# Altium PCB PCB.PcbDoc (continued)
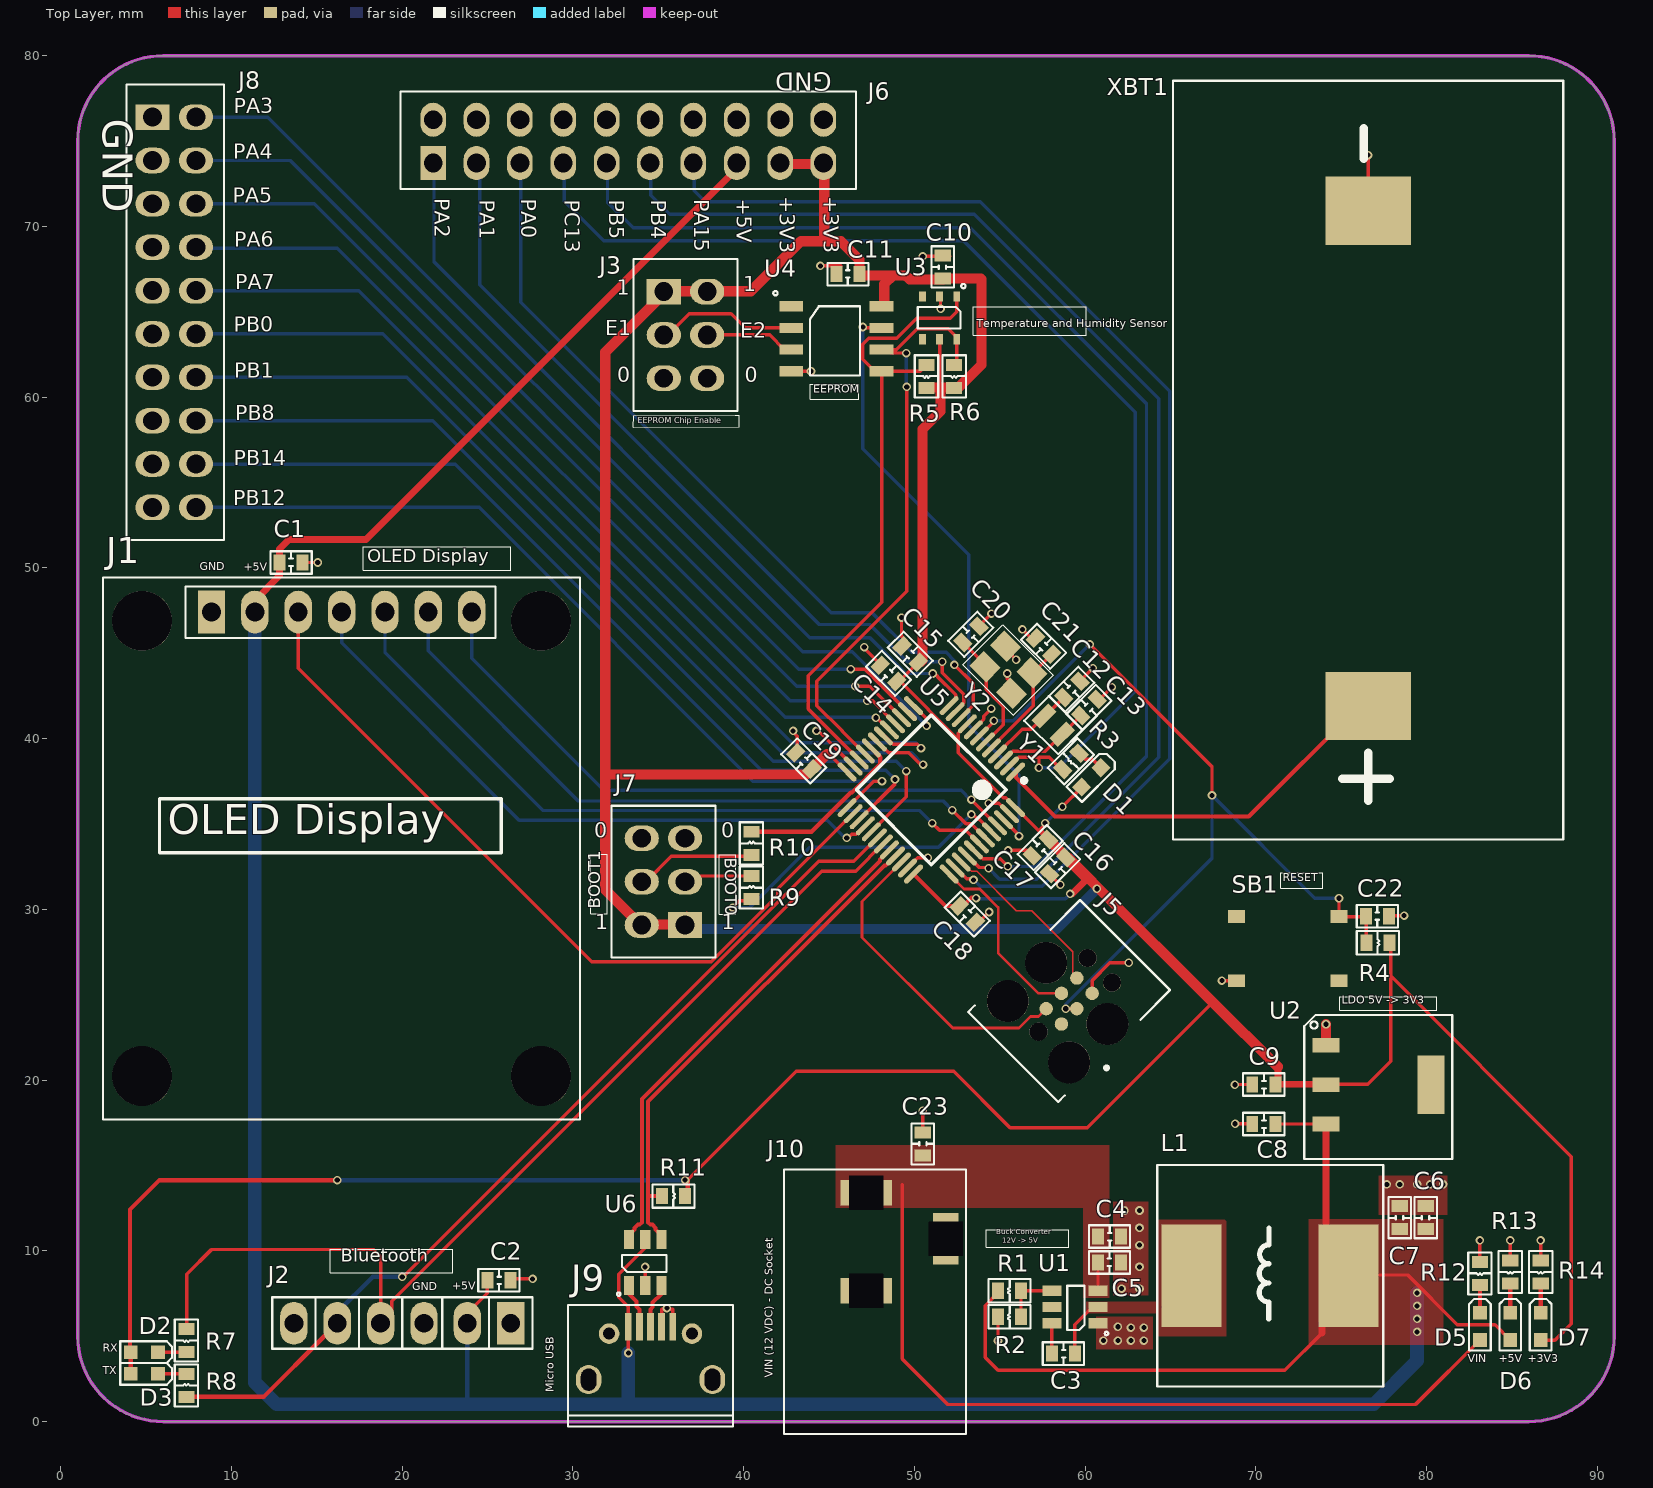
[diagram p0: Top Layer view]
## Footprints (in the part's own frame and the unit in brackets; to place one, negate y for a bottom-side part, rotate by r counter-clockwise, add the part's x,y. Pads: shape width x height; smd on the part's side, far side on the other; paste and mask are expansions set on the pad) (continued)
  Top Layer pour cut-out: 0.508,-1.392
  silkscreen extent -0.6,-2.2 1.8,0.7, body extent -0.12,-2.4 2.7,0.5, height 1.25
SOT-223-3L [mm] "Linear Voltage Regulator IC Positive Fixed 1 Output 1A SOT-223-3L"
  rect 0.85x1.6 smd: 1(0,0) 2(2.3,0) 3(4.6,0)
  rect 3.4x1.6 smd: 4(2.3,6.15)
  silkscreen extent -1.78,-1.27 6.65,7.4, body extent -0.96,-0.46 5.54,6.56, height 1.7
STM32F103C8T6 [mm] "TSQFP, 48-Leads, Body 7.00x7.00mm, Pitch 0.50mm, IPC Medium Density"
  oval 1.45x0.3 smd: 1(-4.225,2.75) 2(-4.225,2.25) 3(-4.225,1.75) 4(-4.225,1.25) 5(-4.225,0.75) 6(-4.225,0.25) 7(-4.225,-0.25) 8(-4.225,-0.75) 9(-4.225,-1.25) 10(-4.225,-1.75) 11(-4.225,-2.25) 12(-4.225,-2.75) 25(4.225,-2.75) 26(4.225,-2.25) 27(4.225,-1.75) 28(4.225,-1.25) 29(4.225,-0.75) 30(4.225,-0.25) 31(4.225,0.25) 32(4.225,0.75) 33(4.225,1.25) 34(4.225,1.75) 35(4.225,2.25) 36(4.225,2.75)
  oval 0.3x1.45 smd: 13(-2.75,-4.225) 14(-2.25,-4.225) 15(-1.75,-4.225) 16(-1.25,-4.225) 17(-0.75,-4.225) 18(-0.25,-4.225) 19(0.25,-4.225) 20(0.75,-4.225) 21(1.25,-4.225) 22(1.75,-4.225) 23(2.25,-4.225) 24(2.75,-4.225) 37(2.75,4.225) 38(2.25,4.225) 39(1.75,4.225) 40(1.25,4.225) 41(0.75,4.225) 42(0.25,4.225) 43(-0.25,4.225) 44(-0.75,4.225) 45(-1.25,4.225) 46(-1.75,4.225) 47(-2.25,4.225) 48(-2.75,4.225)
  silkscreen extent -4.35,-3.1 3.1,3.57, body extent -4.51,-4.51 4.51,4.51, height 1.5
Switch [mm]
  rect 1x0.75 smd: 1(0,0) 2(6,0) 3(0,-3.75) 4(6,-3.75)
  body extent -0.2,-4.4 6.3,0.7, height 1.4

## Part data
C1 C2 C22 C23: library part "CAP  0603 100 nF 10% 50 V", "0.1 µF ±10% 50V Ceramic Capacitor X7R 0603 (1608 Metric)", Case/Package=0603, Case Code (Metric)=1608, Dielectric=X7R, Manufacturer 1=Samsung, Manufacturer Part Number 1=CL10B104KB8NNNC, Max Operating Temperature=125°C, Min Operating Temperature=-55°C, Package Quantity=1, Supplier Part Number 1=1276-1000-2-ND, Tolerance=10%, Voltage=50V, Capacitance=100nF, Case Code (Imperial)=0603, ComponentLink1Description=https://datasheet.ciiva.com/25803/cl10b104kb8nnnc-25803393.pdf?src-supplier=Digikey, ComponentLink1URL=https://datasheet.ciiva.com/25803/cl10b104kb8nnnc-25803393.pdf?src-supplier=Digikey, ComponentLink2Description=https://datasheet.ciiva.com/26838/getdatasheetpartid-89097-26838411.pdf?src-supplier=Verical, ComponentLink2URL=https://datasheet.ciiva.com/26838/getdatasheetpartid-89097-26838411.pdf?src-supplier=Verical, ComponentLink3Description=https://datasheet.ciiva.com/29198/456651-da-01-en-vs-kondensator-0605-29198839.pdf?src-supplier=Conrad, ComponentLink3URL=https://datasheet.ciiva.com/29198/456651-da-01-en-vs-kondensator-0605-29198839.pdf?src-supplier=Conrad, Construction=Flat, Depth=0.8mm, Height=0.8mm, Lead Free="Lead Free", Length=1.6mm, Manufacturer 2=Samsung, Manufacturer Part Number 2=CL10B104KB8NNNC, Material=Ceramic, Mount="Surface Mount", Packaging="Tape and Reel", Pricing 1="4000 = 0.00562, 8000 = 0.00513, 12000 = 0.00489, 28000 = 0.00464, 100000 = 0.00336, 200000 = 0.00325, 400000 = 0.00306 (USD)", Radiation Hardening=No, RoHS=Yes, RoHS Compliant=Yes, Series=CL, Stock 1=6418947, Supplier 1=Digikey, Supplier 2=LCSC, Supplier Part Number 2=C1591, Thickness=0.035inch, Voltage Rating=50V, Voltage Rating (DC)=50V, Width=0.031inch
C3 C5 C10 C11 C17 C18 C19: library part "CAP  0603 100nF 10% 50 V", "0.1 µF ±10% 50V Ceramic Capacitor X7R 0603 (1608 Metric)", Case/Package=0603, Case Code (Metric)=1608, Dielectric=X7R, Manufacturer 1=Samsung, Manufacturer Part Number 1=CL10B104KB8NNNC, Max Operating Temperature=125°C, Min Operating Temperature=-55°C, Package Quantity=1, Supplier Part Number 1=1276-1000-2-ND, Tolerance=10%, Voltage=50V, Capacitance=100nF, Case Code (Imperial)=0603, ComponentLink1Description=https://datasheet.ciiva.com/25803/cl10b104kb8nnnc-25803393.pdf?src-supplier=Digikey, ComponentLink1URL=https://datasheet.ciiva.com/25803/cl10b104kb8nnnc-25803393.pdf?src-supplier=Digikey, ComponentLink2Description=https://datasheet.ciiva.com/26838/getdatasheetpartid-89097-26838411.pdf?src-supplier=Verical, ComponentLink2URL=https://datasheet.ciiva.com/26838/getdatasheetpartid-89097-26838411.pdf?src-supplier=Verical, ComponentLink3Description=https://datasheet.ciiva.com/29198/456651-da-01-en-vs-kondensator-0605-29198839.pdf?src-supplier=Conrad, ComponentLink3URL=https://datasheet.ciiva.com/29198/456651-da-01-en-vs-kondensator-0605-29198839.pdf?src-supplier=Conrad, Construction=Flat, Depth=0.8mm, Height=0.8mm, Lead Free="Lead Free", Length=1.6mm, Manufacturer 2=Samsung, Manufacturer Part Number 2=CL10B104KB8NNNC, Material=Ceramic, Mount="Surface Mount", Packaging="Tape and Reel", Pricing 1="4000 = 0.00562, 8000 = 0.00513, 12000 = 0.00489, 28000 = 0.00464, 100000 = 0.00336, 200000 = 0.00325, 400000 = 0.00306 (USD)", Radiation Hardening=No, RoHS=Yes, RoHS Compliant=Yes, Series=CL, Stock 1=6418947, Supplier 1=Digikey, Supplier 2=LCSC, Supplier Part Number 2=C1591, Thickness=0.035inch, Voltage Rating=50V, Voltage Rating (DC)=50V, Width=0.031inch
C4: library part "CAP 0603 10 µF ±20% 35V _1", "10 µF ±20% 35V Ceramic Capacitor X5R 0603 (1608 Metric)", Case/Package=0603, Case Code (Metric)=1608, Dielectric=X5R, Manufacturer=Murata, Manufacturer Part Number=GRM188R6YA106MA73D, Max Operating Temperature=85°C, Min Operating Temperature=-55°C, Supplier Part Number 1=490-13248-1-ND, Tolerance=20%, Voltage Rating=35V, Capacitance=10uF, Case Code (Imperial)=0603, ComponentLink1Description=http://search.murata.co.jp/Ceramy/image/img/A01X/G101/ENG/GRM188R6YA106MA73-01.pdf?src-supplier=Digikey, ComponentLink1URL=http://search.murata.co.jp/Ceramy/image/img/A01X/G101/ENG/GRM188R6YA106MA73-01.pdf?src-supplier=Digikey, ComponentLink2Description=https://www.murata.com/~/media/webrenewal/support/library/catalog/products/capacitor/mlcc/c02e.ashx?la=en-us&src-supplier=Digikey, ComponentLink2URL=https://www.murata.com/~/media/webrenewal/support/library/catalog/products/capacitor/mlcc/c02e.ashx?la=en-us&src-supplier=Digikey, ComponentLink3Description=https://datasheet.octopart.com/GRM188R6YA106MA73D-Murata-datasheet-86813743.pdf?src-supplier=Future+Electronics, ComponentLink3URL=https://datasheet.octopart.com/GRM188R6YA106MA73D-Murata-datasheet-86813743.pdf?src-supplier=Future+Electronics, ComponentLink4Description=https://datasheet.octopart.com/GRM188R6YA106MA73D-Murata-datasheet-149523261.pdf?src-supplier=Newark, ComponentLink4URL=https://datasheet.octopart.com/GRM188R6YA106MA73D-Murata-datasheet-149523261.pdf?src-supplier=Newark, ComponentLink5Description=http://search.murata.co.jp/Ceramy/image/img/A01X/G101/ENG/GRM188R6YA106MA73-01.pdf?src-supplier=Mouser, ComponentLink5URL=http://search.murata.co.jp/Ceramy/image/img/A01X/G101/ENG/GRM188R6YA106MA73-01.pdf?src-supplier=Mouser, ComponentLink6Description=http://search.murata.co.jp/Ceramy/image/img/A01X/G101/ENG/GRM188R6YA106MA73-01.pdf?src-supplier=Future+Electronics, ComponentLink6URL=http://search.murata.co.jp/Ceramy/image/img/A01X/G101/ENG/GRM188R6YA106MA73-01.pdf?src-supplier=Future+Electronics, ComponentLink7Description=http://search.murata.co.jp/Ceramy/image/img/A01X/G101/ENG/GRM188R6YA106MA73-01.pdf?src-supplier=TTI, ComponentLink7URL=http://search.murata.co.jp/Ceramy/image/img/A01X/G101/ENG/GRM188R6YA106MA73-01.pdf?src-supplier=TTI, ComponentLink8Description=https://datasheet.octopart.com/GRM188R6YA106MA73D-Murata-datasheet-165579666.pdf?src-supplier=TME, ComponentLink8URL=https://datasheet.octopart.com/GRM188R6YA106MA73D-Murata-datasheet-165579666.pdf?src-supplier=TME, Height=1mm, Length=0.063inch, Material=Ceramic, Mount="Surface Mount", Packaging="Cut Tape", Pricing 1="1 = 0.3, 10 = 0.172, 50 = 0.123, 100 = 0.1077, 500 = 0.0818, 1000 = 0.07373 (USD)", RoHS=Yes, RoHS Compliant=Yes, Series=GRM, Stock 1=432618, Supplier 1=Digikey, Supplier 2=LCSC, Supplier Part Number 2=C194427, Thickness=0.039inch, Voltage Rating (DC)=35V, Width=0.031inch
C6 C7 C9: library part "CAP  0603 22 µF ±20% 10V", "10V 22uF X5R ±20% 0603 Multilayer Ceramic Capacitors MLCC - SMD/SMT ROHS", Manufacturer 2="Samsung Electro-Mechanics", Manufacturer Part Number 2=CL10A226MP8NUNE, Supplier 2=LCSC, Supplier Part Number 2=C86295
C8: library part "CAP 0603 10 µF ±20% 35V", "10 µF ±20% 35V Ceramic Capacitor X5R 0603 (1608 Metric)", Case/Package=0603, Case Code (Metric)=1608, Dielectric=X5R, Manufacturer=Murata, Manufacturer Part Number=GRM188R6YA106MA73D, Max Operating Temperature=85°C, Min Operating Temperature=-55°C, Supplier Part Number 1=490-13248-1-ND, Tolerance=20%, Voltage Rating=35V, Capacitance=10uF, Case Code (Imperial)=0603, ComponentLink1Description=http://search.murata.co.jp/Ceramy/image/img/A01X/G101/ENG/GRM188R6YA106MA73-01.pdf?src-supplier=Digikey, ComponentLink1URL=http://search.murata.co.jp/Ceramy/image/img/A01X/G101/ENG/GRM188R6YA106MA73-01.pdf?src-supplier=Digikey, ComponentLink2Description=https://www.murata.com/~/media/webrenewal/support/library/catalog/products/capacitor/mlcc/c02e.ashx?la=en-us&src-supplier=Digikey, ComponentLink2URL=https://www.murata.com/~/media/webrenewal/support/library/catalog/products/capacitor/mlcc/c02e.ashx?la=en-us&src-supplier=Digikey, ComponentLink3Description=https://datasheet.octopart.com/GRM188R6YA106MA73D-Murata-datasheet-86813743.pdf?src-supplier=Future+Electronics, ComponentLink3URL=https://datasheet.octopart.com/GRM188R6YA106MA73D-Murata-datasheet-86813743.pdf?src-supplier=Future+Electronics, ComponentLink4Description=https://datasheet.octopart.com/GRM188R6YA106MA73D-Murata-datasheet-149523261.pdf?src-supplier=Newark, ComponentLink4URL=https://datasheet.octopart.com/GRM188R6YA106MA73D-Murata-datasheet-149523261.pdf?src-supplier=Newark, ComponentLink5Description=http://search.murata.co.jp/Ceramy/image/img/A01X/G101/ENG/GRM188R6YA106MA73-01.pdf?src-supplier=Mouser, ComponentLink5URL=http://search.murata.co.jp/Ceramy/image/img/A01X/G101/ENG/GRM188R6YA106MA73-01.pdf?src-supplier=Mouser, ComponentLink6Description=http://search.murata.co.jp/Ceramy/image/img/A01X/G101/ENG/GRM188R6YA106MA73-01.pdf?src-supplier=Future+Electronics, ComponentLink6URL=http://search.murata.co.jp/Ceramy/image/img/A01X/G101/ENG/GRM188R6YA106MA73-01.pdf?src-supplier=Future+Electronics, ComponentLink7Description=http://search.murata.co.jp/Ceramy/image/img/A01X/G101/ENG/GRM188R6YA106MA73-01.pdf?src-supplier=TTI, ComponentLink7URL=http://search.murata.co.jp/Ceramy/image/img/A01X/G101/ENG/GRM188R6YA106MA73-01.pdf?src-supplier=TTI, ComponentLink8Description=https://datasheet.octopart.com/GRM188R6YA106MA73D-Murata-datasheet-165579666.pdf?src-supplier=TME, ComponentLink8URL=https://datasheet.octopart.com/GRM188R6YA106MA73D-Murata-datasheet-165579666.pdf?src-supplier=TME, Height=1mm, Length=0.063inch, Material=Ceramic, Mount="Surface Mount", Packaging="Cut Tape", Pricing 1="1 = 0.3, 10 = 0.172, 50 = 0.123, 100 = 0.1077, 500 = 0.0818, 1000 = 0.07373 (USD)", RoHS=Yes, RoHS Compliant=Yes, Series=GRM, Stock 1=432618, Supplier 1=Digikey, Supplier 2=LCSC, Supplier Part Number 2=C194427, Thickness=0.039inch, Voltage Rating (DC)=35V, Width=0.031inch
C12 C13 C20 C21: library part "CAP  0603 10 pF ±5% 50V", "10 pF ±5% 50V Ceramic Capacitor C0G, NP0 0603 (1608 Metric)", Case/Package=0603, Case Code (Metric)=1608, Dielectric=C0G, Insulation Resistance=100GR, Manufacturer 2=Yageo, Manufacturer Part Number 2=CC0603JRNPO9BN100, Max Operating Temperature=125°C, Min Operating Temperature=-55°C, Package Quantity=4000, Supplier Part Number 1=311-1058-1-ND, Temperature Coefficient=30ppm/°C, Tolerance=5%, Voltage=50V, Capacitance=10pF, Case Code (Imperial)=0603, ComponentLink1Description=https://datasheet.ciiva.com/144/mlccorderingcode-144651.pdf?src-supplier=Digikey, ComponentLink1URL=https://datasheet.ciiva.com/144/mlccorderingcode-144651.pdf?src-supplier=Digikey, ComponentLink2Description=https://datasheet.ciiva.com/11786/0900766b8079c870-11786407.pdf?src-supplier=Rs, ComponentLink2URL=https://datasheet.ciiva.com/11786/0900766b8079c870-11786407.pdf?src-supplier=Rs, ComponentLink3Description=https://datasheet.ciiva.com/5789/1734582-5789616.pdf?src-supplier=Farnell, ComponentLink3URL=https://datasheet.ciiva.com/5789/1734582-5789616.pdf?src-supplier=Farnell, ComponentLink4Description=https://datasheet.ciiva.com/26862/getdatasheetpartid-403524-26862758.pdf?src-supplier=Verical, ComponentLink4URL=https://datasheet.ciiva.com/26862/getdatasheetpartid-403524-26862758.pdf?src-supplier=Verical, ComponentLink5Description=https://datasheet.ciiva.com/7978/1132289-7978126.pdf?src-supplier=Element14, ComponentLink5URL=https://datasheet.ciiva.com/7978/1132289-7978126.pdf?src-supplier=Element14, ComponentLink6Description=https://datasheet.ciiva.com/46430/1835847-46430150.pdf?src-supplier=Element14, ComponentLink6URL=https://datasheet.ciiva.com/46430/1835847-46430150.pdf?src-supplier=Element14, ComponentLink7Description=https://datasheet.ciiva.com/144/mlccorderingcode-144650.pdf?src-supplier=Digikey, ComponentLink7URL=https://datasheet.ciiva.com/144/mlccorderingcode-144650.pdf?src-supplier=Digikey, ComponentLink8Description=https://datasheet.ciiva.com/144/mlccorderingcode-144649.pdf?src-supplier=Digikey, ComponentLink8URL=https://datasheet.ciiva.com/144/mlccorderingcode-144649.pdf?src-supplier=Digikey, ComponentLink9Description=https://datasheet.ciiva.com/5425/upy-gp-np0-16v-to-50v-8-5425564.pdf?src-supplier=Mouser, ComponentLink9URL=https://datasheet.ciiva.com/5425/upy-gp-np0-16v-to-50v-8-5425564.pdf?src-supplier=Mouser, ComponentLink10Description=https://datasheet.ciiva.com/8033/1734582-8033710.pdf?src-supplier=Element14, ComponentLink10URL=https://datasheet.ciiva.com/8033/1734582-8033710.pdf?src-supplier=Element14, ComponentLink11Description=https://datasheet.ciiva.com/8033/1734582-8033706.pdf?src-supplier=Element14, ComponentLink11URL=https://datasheet.ciiva.com/8033/1734582-8033706.pdf?src-supplier=Element14, Depth=0.8mm, Halogen Free=5694HalogenFree, Height=0.8mm, Lead Free="Lead Free", Length=1.6mm, Mount="Surface Mount", Number of Pins=2, Packaging="Tape and Reel", Pricing 1="1 = 0.1, 10 = 0.03, 50 = 0.0204, 100 = 0.0173, 500 = 0.0123, 1000 = 0.01073 (USD)", Radiation Hardening=No, Reach SVHC Compliant=No, RoHS=Yes, RoHS Compliant=Yes, Series=CC, Stock 1=267181, Supplier 1=Digikey, Supplier 2=LCSC, Supplier Part Number 2=C106245, Termination=SMD/SMT, Voltage Rating=50V, Voltage Rating (DC)=50V, Width=0.8mm
C14: library part "CAP  0603 10 nF ±10% 25V", "10000 pF ±10% 25V Ceramic Capacitor X7R 0603 (1608 Metric)", Manufacturer 2=Murata, Manufacturer Part Number 2=GCJ188R71E103KA01J, Supplier Part Number 1=490-GCJ188R71E103KA01JCT-ND, Pricing 1="1 = 0.12, 10 = 0.068, 50 = 0.047, 100 = 0.0406, 500 = 0.02964, 1000 = 0.02625, 2500 = 0.02265, 5000 = 0.02047 (USD)", RoHS=Yes, Stock 1=28712, Supplier 1=Digikey, Supplier 2=LCSC, Supplier Part Number 2=C17255079
C15: library part "CAP  0603 1 µF ±10% 25V", "1 µF ±10% 25V Ceramic Capacitor X5R 0603 (1608 Metric)", Capacitance=1uF, Case/Package=0603, Case Code (Metric)=1608, Dielectric=X5R, Manufacturer=Yageo, Manufacturer Part Number 1=CC0603KRX5R8BB105, Manufacturer Part Number 2=C14664, Max Operating Temperature=85°C, Min Operating Temperature=-55°C, Supplier Part Number 1=311-1445-1-ND, Tolerance=10%, Voltage Rating=25V, Case Code (Imperial)=0603, ComponentLink1Description=https://datasheet.ciiva.com/7978/1525783-7978171.pdf?src-supplier=Element14, ComponentLink1URL=https://datasheet.ciiva.com/7978/1525783-7978171.pdf?src-supplier=Element14, ComponentLink2Description=https://datasheet.ciiva.com/176/mlccorderingcode-176786.pdf?src-supplier=Digikey, ComponentLink2URL=https://datasheet.ciiva.com/176/mlccorderingcode-176786.pdf?src-supplier=Digikey, ComponentLink3Description=https://datasheet.ciiva.com/176/mlccorderingcode-176785.pdf?src-supplier=Digikey, ComponentLink3URL=https://datasheet.ciiva.com/176/mlccorderingcode-176785.pdf?src-supplier=Digikey, ComponentLink4Description=https://datasheet.ciiva.com/176/mlccorderingcode-176787.pdf?src-supplier=Digikey, ComponentLink4URL=https://datasheet.ciiva.com/176/mlccorderingcode-176787.pdf?src-supplier=Digikey, ComponentLink5Description=https://datasheet.ciiva.com/11586/upy-gphc-x5r-4v-to-50v-12-11586318.pdf?src-supplier=Avnet, ComponentLink5URL=https://datasheet.ciiva.com/11586/upy-gphc-x5r-4v-to-50v-12-11586318.pdf?src-supplier=Avnet, Construction=Flat, Depth=0.8mm, Halogen Free=5694HalogenFree, Height=0.8mm, Lead Free=5697LeadFree, Length=1.6mm, Material=4241ConductorMaterial, Mount="Surface Mount", Number of Pins=2, Packaging="Tape and Reel", Pricing 1="1 = 0.1, 10 = 0.049, 50 = 0.0294, 100 = 0.0231, 500 = 0.01706, 1000 = 0.01413 (USD)", Radiation Hardening=No, Reach SVHC Compliant=No, RoHS=Yes, RoHS Compliant=Yes, Series=CC, Stock 1=2221073, Supplier 1=Digikey, Supplier 2=LCSC, Supplier Part Number 2=C14664, Termination=SMD/SMT, Voltage Rating (DC)=25V
C16: library part "CAP  0603 4.7 µF ±10% 35V", "4.7 µF ±10% 35V Ceramic Capacitor X5R 0603 (1608 Metric)", Case/Package=0603, Case Code (Metric)=1608, Dielectric=X5R, Manufacturer 2=Murata, Manufacturer Part Number 2=GRM188R6YA475KE15D, Max Operating Temperature=85°C, Min Operating Temperature=-55°C, Package Quantity=1, Supplier Part Number 1=490-7205-6-ND, Tolerance=10%, Voltage=35V, Capacitance=4.7uF, Case Code (Imperial)=0603, ComponentLink1Description=https://datasheet.ciiva.com/46444/1769893-46444984.pdf?src-supplier=Element14, ComponentLink1URL=https://datasheet.ciiva.com/46444/1769893-46444984.pdf?src-supplier=Element14, ComponentLink2Description=https://datasheet.ciiva.com/46444/1769893-46444985.pdf?src-supplier=Element14, ComponentLink2URL=https://datasheet.ciiva.com/46444/1769893-46444985.pdf?src-supplier=Element14, ComponentLink3Description=https://datasheet.ciiva.com/14906/partnumbering-e-01-14906427.pdf?src-supplier=Digikey, ComponentLink3URL=https://datasheet.ciiva.com/14906/partnumbering-e-01-14906427.pdf?src-supplier=Digikey, ComponentLink4Description=https://datasheet.ciiva.com/14906/partnumbering-e-01-14906426.pdf?src-supplier=Digikey, ComponentLink4URL=https://datasheet.ciiva.com/14906/partnumbering-e-01-14906426.pdf?src-supplier=Digikey, ComponentLink5Description=https://datasheet.ciiva.com/14906/partnumbering-e-01-14906428.pdf?src-supplier=Digikey, ComponentLink5URL=https://datasheet.ciiva.com/14906/partnumbering-e-01-14906428.pdf?src-supplier=Digikey, Depth=0.8mm, Height=0.8mm, Lead Free="Lead Free", Length=1.6mm, Material=Ceramic, Mount="Surface Mount", Packaging="Tape and Reel", Pricing 1="1 = 0.3, 10 = 0.175, 50 = 0.125, 100 = 0.1095, 500 = 0.08322, 1000 = 0.07504 (USD)", Reach SVHC Compliant=No, RoHS=Yes, RoHS Compliant=Yes, Series=GRM, Stock 1=74456, Supplier 1=Digikey, Supplier 2=LCSC, Supplier Part Number 2=C162274, Termination=SMD/SMT, Thickness=0.031inch, Voltage Rating=35V, Voltage Rating (DC)=35V, Weight=0.000222oz, Width=0.8mm
D1 D2 D3: "Green 520nm LED Indication - Discrete 3.2V 0603 (1608 Metric)", Case/Package=0603, Case Code (Metric)=1608, Color=Green, Forward Current=30mA, Forward Voltage=3.2V, Lens Color=Colorless, Manufacturer 1="Wurth Electronics", Manufacturer 2="HONGLITRONIC(Hongli Zhihui (HONGLITRONIC))", Manufacturer Part Number 1=150060GS75000, Manufacturer Part Number 2=PSC-1608U50GC-G4, Max Operating Temperature=85°C, Max Reverse Voltage (DC)=5V, Min Operating Temperature=-40°C, Output Current=10uA, Package Quantity=1, Power Dissipation=105mW, Supplier Part Number 1=732-4971-1-ND, Test Current=20mA, Case Code (Imperial)=0603, ComponentLink1Description=https://datasheet.ciiva.com/29562/150060gs75000-29562868.pdf?src-supplier=Digikey, ComponentLink1URL=https://datasheet.ciiva.com/29562/150060gs75000-29562868.pdf?src-supplier=Digikey, ComponentLink2Description=https://datasheet.ciiva.com/29279/759427-da-01-en-chipled-0603-w-kl-gruen-150060gs75000-29279201.pdf?src-supplier=Conrad, ComponentLink2URL=https://datasheet.ciiva.com/29279/759427-da-01-en-chipled-0603-w-kl-gruen-150060gs75000-29279201.pdf?src-supplier=Conrad, ComponentLink3Description=https://datasheet.ciiva.com/29562/150060gs75000-29562869.pdf?src-supplier=Digikey, ComponentLink3URL=https://datasheet.ciiva.com/29562/150060gs75000-29562869.pdf?src-supplier=Digikey, ComponentLink4Description=https://datasheet.ciiva.com/29562/150060gs75000-29562870.pdf?src-supplier=Digikey, ComponentLink4URL=https://datasheet.ciiva.com/29562/150060gs75000-29562870.pdf?src-supplier=Digikey, Dominant Wavelength=520nm, Height=0.8mm, Lead Free="Lead Free", Length=1.6mm, Lens Size=0.7mm, Lens Style=Clear,Flat,Rectangular, Lens Transparency=Clear, Luminous Intensity=430mcd, Mount="Surface Mount", Packaging="Cut Tape", Pricing 1="1 = 0.15, 50 = 0.142, 100 = 0.122, 500 = 0.105 (USD)", Reach SVHC Compliant=Unknown, Reverse Voltage=5V, RoHS=Yes, RoHS Compliant=Yes, Series=WL-SMCW, Stock 1=149465, Supplier 1=Digikey, Supplier 2=LCSC, Supplier Part Number 2=C22371298, Viewing Angle=140°, Wavelength=520nm, Width=0.8mm
D5 D6 D7: "Red 625nm LED Indication - Discrete 2V 0603 (1608 Metric)", Case/Package=0603, Case Code (Metric)=1608, Color=Red, Forward Current=30mA, Forward Voltage=2V, Lens Color=Colorless, Manufacturer 1="Wurth Electronics", Manufacturer 2="Everlight Elec", Manufacturer Part Number 1=150060RS75000, Manufacturer Part Number 2=19-213/R6C-AN2Q1B/3T, Max Operating Temperature=85°C, Max Reverse Voltage (DC)=5V, Min Operating Temperature=-40°C, Package Quantity=1, Power Dissipation=72mW, Supplier Part Number 1=732-4978-1-ND, Test Current=20mA, Case Code (Imperial)=0603, ComponentLink1Description=https://datasheet.ciiva.com/29563/150060rs75000-29563040.pdf?src-supplier=Digikey, ComponentLink1URL=https://datasheet.ciiva.com/29563/150060rs75000-29563040.pdf?src-supplier=Digikey, Dominant Wavelength=625nm, Height=0.8mm, Length=1.6mm, Lens Size=0.7mm, Lens Style=Clear,Flat,Rectangular, Lens Transparency=Clear, Luminous Intensity=250mcd, Mount="Surface Mount", Packaging="Cut Tape", Pricing 1="1 = 0.15, 50 = 0.142, 100 = 0.122, 500 = 0.105, 1000 = 0.10125 (USD)", Reach SVHC Compliant=Unknown, Reverse Voltage=5V, RoHS=Yes, RoHS Compliant=Yes, Series=WL-SMCW, Stock 1=110901, Supplier 1=Digikey, Supplier 2=LCSC, Supplier Part Number 2=C128251, Viewing Angle=140°, Wavelength=625nm, Width=0.8mm
J1: library part "Display connector", "- Display: 0.95\" Inch 7 Pin Colorful 65K SPI OLED Display Module SSD1331 9664 Resolution For 51 STM32 Arduino / - Connector: Direct Insert Policy 2.5mm 7P 6mm -40?~+105? 3mm 2.54mm Single Row Black Brass 1x7P Plugin,P=2.54mm Pin Headers ROHS", Manufacturer 2=XFCN, Manufacturer Part Number 2=PZ254V-11-07P, Supplier 2=LCSC, Supplier Part Number 2=C492406
J2: library part "HC-05 Bluetooth Connector", Current Rating=3A, Flammability Rating="UL94 V-0", Insulation Color=Black, Manufacturer 2=Sullins, Manufacturer Part Number 2=PPPC061LFBN-RC, Max Operating Temperature=105°C, Min Operating Temperature=-40°C, Supplier Part Number 1=S7039-ND, Voltage Rating=250V, ComponentLink1Description=https://media.digikey.com/pdf/Data%20Sheets/Sullins%20PDFs/Female_Headers.100_DS.pdf?src-supplier=Digikey, ComponentLink1URL=https://media.digikey.com/pdf/Data%20Sheets/Sullins%20PDFs/Female_Headers.100_DS.pdf?src-supplier=Digikey, Connector Type=Header, Contact Finish - Mating=GOLD, Contact Material=Nickel,Gold, Contact Shape=Square, Contact Type="Female Socket", Fastening Type=Pull, Height=8.7mm, Housing Material=Plastic, Insulation Material=Polyester, Lead Free="Lead Free", Length=15.7mm, Mount="Through Hole", Number of Contacts=6NUMBER, Number of Positions=6, Number of Rows=1, Packaging=Tray, Pricing 1="1 = 0.47, 10 = 0.382, 80 = 0.31725, 440 = 0.27275, 1000 = 0.25359, 5000 = 0.2405 (USD)", RoHS=Yes, RoHS Compliant=Yes, Series=-, Stock 1=9721, Supplier 1=Digikey, Supplier 2=LCSC, Supplier Part Number 2=C5845309, Termination=Solder, Width=2.5mm
J3 J7: "2.54mm 2.54mm Double Row 2.5A 6P -40?~+105? Direct Insert 2x3P Top 8.5mm Square Hole Plugin,P=2.54mm Female Headers ROHS", Manufacturer 2=ZHOURI, Manufacturer Part Number 2=PM2.54-2*3, Supplier 2=LCSC, Supplier Part Number 2=C5116527
J5: "Plug-Of-Nails™ Cable Assembly"
J6 J8: "20 Position Header Connector 0.100\" (2.54mm) Through Hole Gold", Case/Package=69Case, Current Rating=3A, Frequency=100kHz, Manufacturer=Sullins, Manufacturer Part Number 2=PPPC102LFBN-RC, Max Output Current=-200mA, Max Supply Voltage=16V, Min Supply Voltage=4.5V, Supplier Part Number 1=S6106-ND, ComponentLink1Description=https://drawings-pdf.s3.amazonaws.com/10492.pdf?src-supplier=Digikey, ComponentLink1URL=https://drawings-pdf.s3.amazonaws.com/10492.pdf?src-supplier=Digikey, ComponentLink2Description=http://www.sullinscorp.com/catalogs/101_Page80-81_HEADER_.100_2.54mm_FEMALE.pdf?src-supplier=Future+Electronics, ComponentLink2URL=http://www.sullinscorp.com/catalogs/101_Page80-81_HEADER_.100_2.54mm_FEMALE.pdf?src-supplier=Future+Electronics, ComponentLink3Description=https://datasheet.octopart.com/PPPC102LFBN-RC-Sullins-datasheet-41308905.pdf?src-supplier=Future+Electronics, ComponentLink3URL=https://datasheet.octopart.com/PPPC102LFBN-RC-Sullins-datasheet-41308905.pdf?src-supplier=Future+Electronics, Contact Material=150ConductorMaterial, Height=1.58mm, Housing Material=4239ConductorMaterial, Lead Free=5697LeadFree, Length=4.9mm, Pricing 1="1 = 1.2, 10 = 0.98, 80 = 0.81475, 440 = 0.70043, 1000 = 0.6747 (USD)", Radiation Hardening=5898YesNo, Reach SVHC Compliant=4186SVHC, RoHS=Yes, RoHS Compliant=5897YesNo, Stock 1=44558, Supplier 1=Digikey, Supplier 2=LCSC, Supplier Part Number 2=C5845310, Weight=72.603129mg, Width=3.91mm
J9: "1.8A USB 2.0 1 Horizontal attachment 5P Mother -20?~+85? Micro-B SMD USB Connectors ROHS", Manufacturer 2="SHOU HAN", Manufacturer Part Number 2=MicroXNJ, Supplier 2=LCSC, Supplier Part Number 2=C404969
J10: "Bend-in DC Power Receptacle -20?~+70? 2.5mm 6.3mm 3A 30V Plugin DC Power Connectors ROHS", Manufacturer 2=XUNPU, Manufacturer Part Number 2=DC-005-A250, Supplier 2=LCSC, Supplier Part Number 2=C720558
L1: library part "IND  12.3x12.3mm 68uH ±20% 140mO_1", "2.1A 68uH ±20% 140mO SMD,12.3x12.3mm Inductors (SMD) ROHS", Manufacture="SHOU HAN", Manufacture Part Number=CYH127-68UH, Supplier 2=LCSC, Supplier Part Number 2=C2929504
R1: library part "RES  0603 100KR 0.1% 1/10W", "100 kOhms ±0.1% 0.1W, 1/10W Chip Resistor 0603 (1608 Metric) Thin Film", Case/Package=0603, Case Code (Metric)=1608, Manufacturer 2=Yageo, Manufacturer Part Number 2=RT0603BRD07100KL, Max Operating Temperature=155°C, Max Power Dissipation=100mW, Min Operating Temperature=-55°C, Package Quantity=5000, Supplier Part Number 1=YAG1235CT-ND, Temperature Coefficient=25ppm/°C, Tolerance=0.1%, Voltage Rating=75V, Case Code (Imperial)=0603, ComponentLink1Description=https://datasheet.ciiva.com/11819/0900766b8079c86e-11819622.pdf?src-supplier=Rs, ComponentLink1URL=https://datasheet.ciiva.com/11819/0900766b8079c86e-11819622.pdf?src-supplier=Rs, Depth=0.8mm, Features="Moisture Resistant", Height=0.022inch, Lead Free=5697LeadFree, Length=0.063inch, Mount="Surface Mount", Number of Terminations=2, Packaging="Tape and Reel", Power Rating=100mW, Pricing 1="1 = 0.14, 10 = 0.098, 50 = 0.0846, 100 = 0.0755, 500 = 0.0561, 1000 = 0.051 (USD)", Resistance=100kR, RoHS=Yes, RoHS Compliant=Yes, Series=RT, Stock 1=102412, Supplier 1=Digikey, Supplier 2=LCSC, Supplier Part Number 2=C122538, Technology="THIN FILM", Termination=SMD/SMT, Voltage Rating (DC)=75V, Width=0.031inch
R2: library part "RES  0603 13.3kR ±1% 0.1W", "13.3 kOhms ±1% 0.1W, 1/10W Chip Resistor 0603 (1608 Metric) Thin Film", Case/Package=0603, Case Code (Metric)=1608, Manufacturer=Yageo, Manufacturer Part Number 1=RT0603FRE0713K3L, Manufacturer Part Number 2=RT0603BRE0713K3L, Max Operating Temperature=125°C, Max Power Dissipation=100mW, Min Operating Temperature=-55°C, Package Quantity=5000, Resistance=13.3kR, Supplier Part Number 1=13-RT0603FRE0713K3LCT-ND, Temperature Coefficient=50ppm/°C, Tolerance=1%, Voltage Rating=75V, Voltage Rating (DC)=50V, Case Code (Imperial)=0603, ComponentLink1Description=https://datasheet.ciiva.com/2559/pyu-rt-1-to-0-05-rohs-l-5-2559525.pdf?src-supplier=Digikey, ComponentLink1URL=https://datasheet.ciiva.com/2559/pyu-rt-1-to-0-05-rohs-l-5-2559525.pdf?src-supplier=Digikey, ComponentLink2Description=https://datasheet.ciiva.com/8890/pyu-rt-1-to-0-05-rohs-l-4-8890911.pdf?src-supplier=Avnet, ComponentLink2URL=https://datasheet.ciiva.com/8890/pyu-rt-1-to-0-05-rohs-l-4-8890911.pdf?src-supplier=Avnet, ComponentLink3Description=https://datasheet.ciiva.com/12703/pyu-rt-1-to-0-05-rohs-l-4-12703147.pdf?src-supplier=Mouser, ComponentLink3URL=https://datasheet.ciiva.com/12703/pyu-rt-1-to-0-05-rohs-l-4-12703147.pdf?src-supplier=Mouser, Contact Plating=Tin,Matte, Height=0.022inch, Lead Free="Lead Free", Length=0.063inch, Number of Terminations=2, Packaging="Tape and Reel", Power Rating=100mW, Pricing 1="1 = 0.1, 10 = 0.018, 50 = 0.0158, 100 = 0.0128, 500 = 0.01224 (USD)", RoHS=Yes, RoHS Compliant=Yes, Series=RT, Stock 1=26442, Supplier 1=Digikey, Supplier 2=LCSC, Supplier Part Number 2=C861663, Termination=SMD/SMT, Width=0.031inch
R3 R7 R8 R12 R13 R14: library part "RES  0603 1kR ±1% 0.1W", "1 kOhms ±1% 0.1W, 1/10W Chip Resistor 0603 (1608 Metric) Moisture Resistant Thick Film", Case/Package=0603, Case Code (Metric)=1608, Manufacturer=Yageo, Manufacturer Part Number 1=RC0603FR-071KL, Manufacturer Part Number 2=RT0603BRB071KL, Max Operating Temperature=155°C, Max Power Dissipation=100mW, Min Operating Temperature=-55°C, Resistance Tolerance=1%, Resistor Type="Thick Film", Supplier Part Number 1=4016291, Temperature Coefficient=100ppm/°C, Voltage Rating=50V, Case Code (Imperial)=0603, ComponentLink5Description=http://www.yageo.com/documents/recent/PYu-RC_Group_51_RoHS_L_9.pdf?src-supplier=Arrow+Electronics, ComponentLink5URL=http://www.yageo.com/documents/recent/PYu-RC_Group_51_RoHS_L_9.pdf?src-supplier=Arrow+Electronics, ComponentLink6Description=https://datasheet.octopart.com/RC0603FR-0710KL-Yageo-datasheet-15599030.pdf?src-supplier=Future+Electronics, ComponentLink6URL=https://datasheet.octopart.com/RC0603FR-0710KL-Yageo-datasheet-15599030.pdf?src-supplier=Future+Electronics, Construction=Rectangular, Contact Plating=Tin,Matte, Depth=0.8mm, Features="Moisture Resistant", Height=0.45mm, Lead Free="Lead Free", Length=1.6mm, Military Standard=Not, Number of Terminations=2, Packaging="Tape and Reel", Power Rating=100mW, Pricing 1="5000 = 0.0014, 50000 = 0.0014, 150000 = 0.0013, 375000 = 0.0013, 1000000 = 0.0012 (USD)", Reach SVHC Compliant=No, Resistance=1kR, RoHS=Yes, RoHS Compliant=Yes, Series=RC, Stock 1=15835000, Supplier 1="Future Electronics", Supplier 2=LCSC, Supplier Part Number 2=C728580, Technology="THICK FILM", Termination=SMD/SMT, Tolerance=1%